# Altium PCB HIVE_BOARD.PcbDoc (part 3 of 9) (continued)
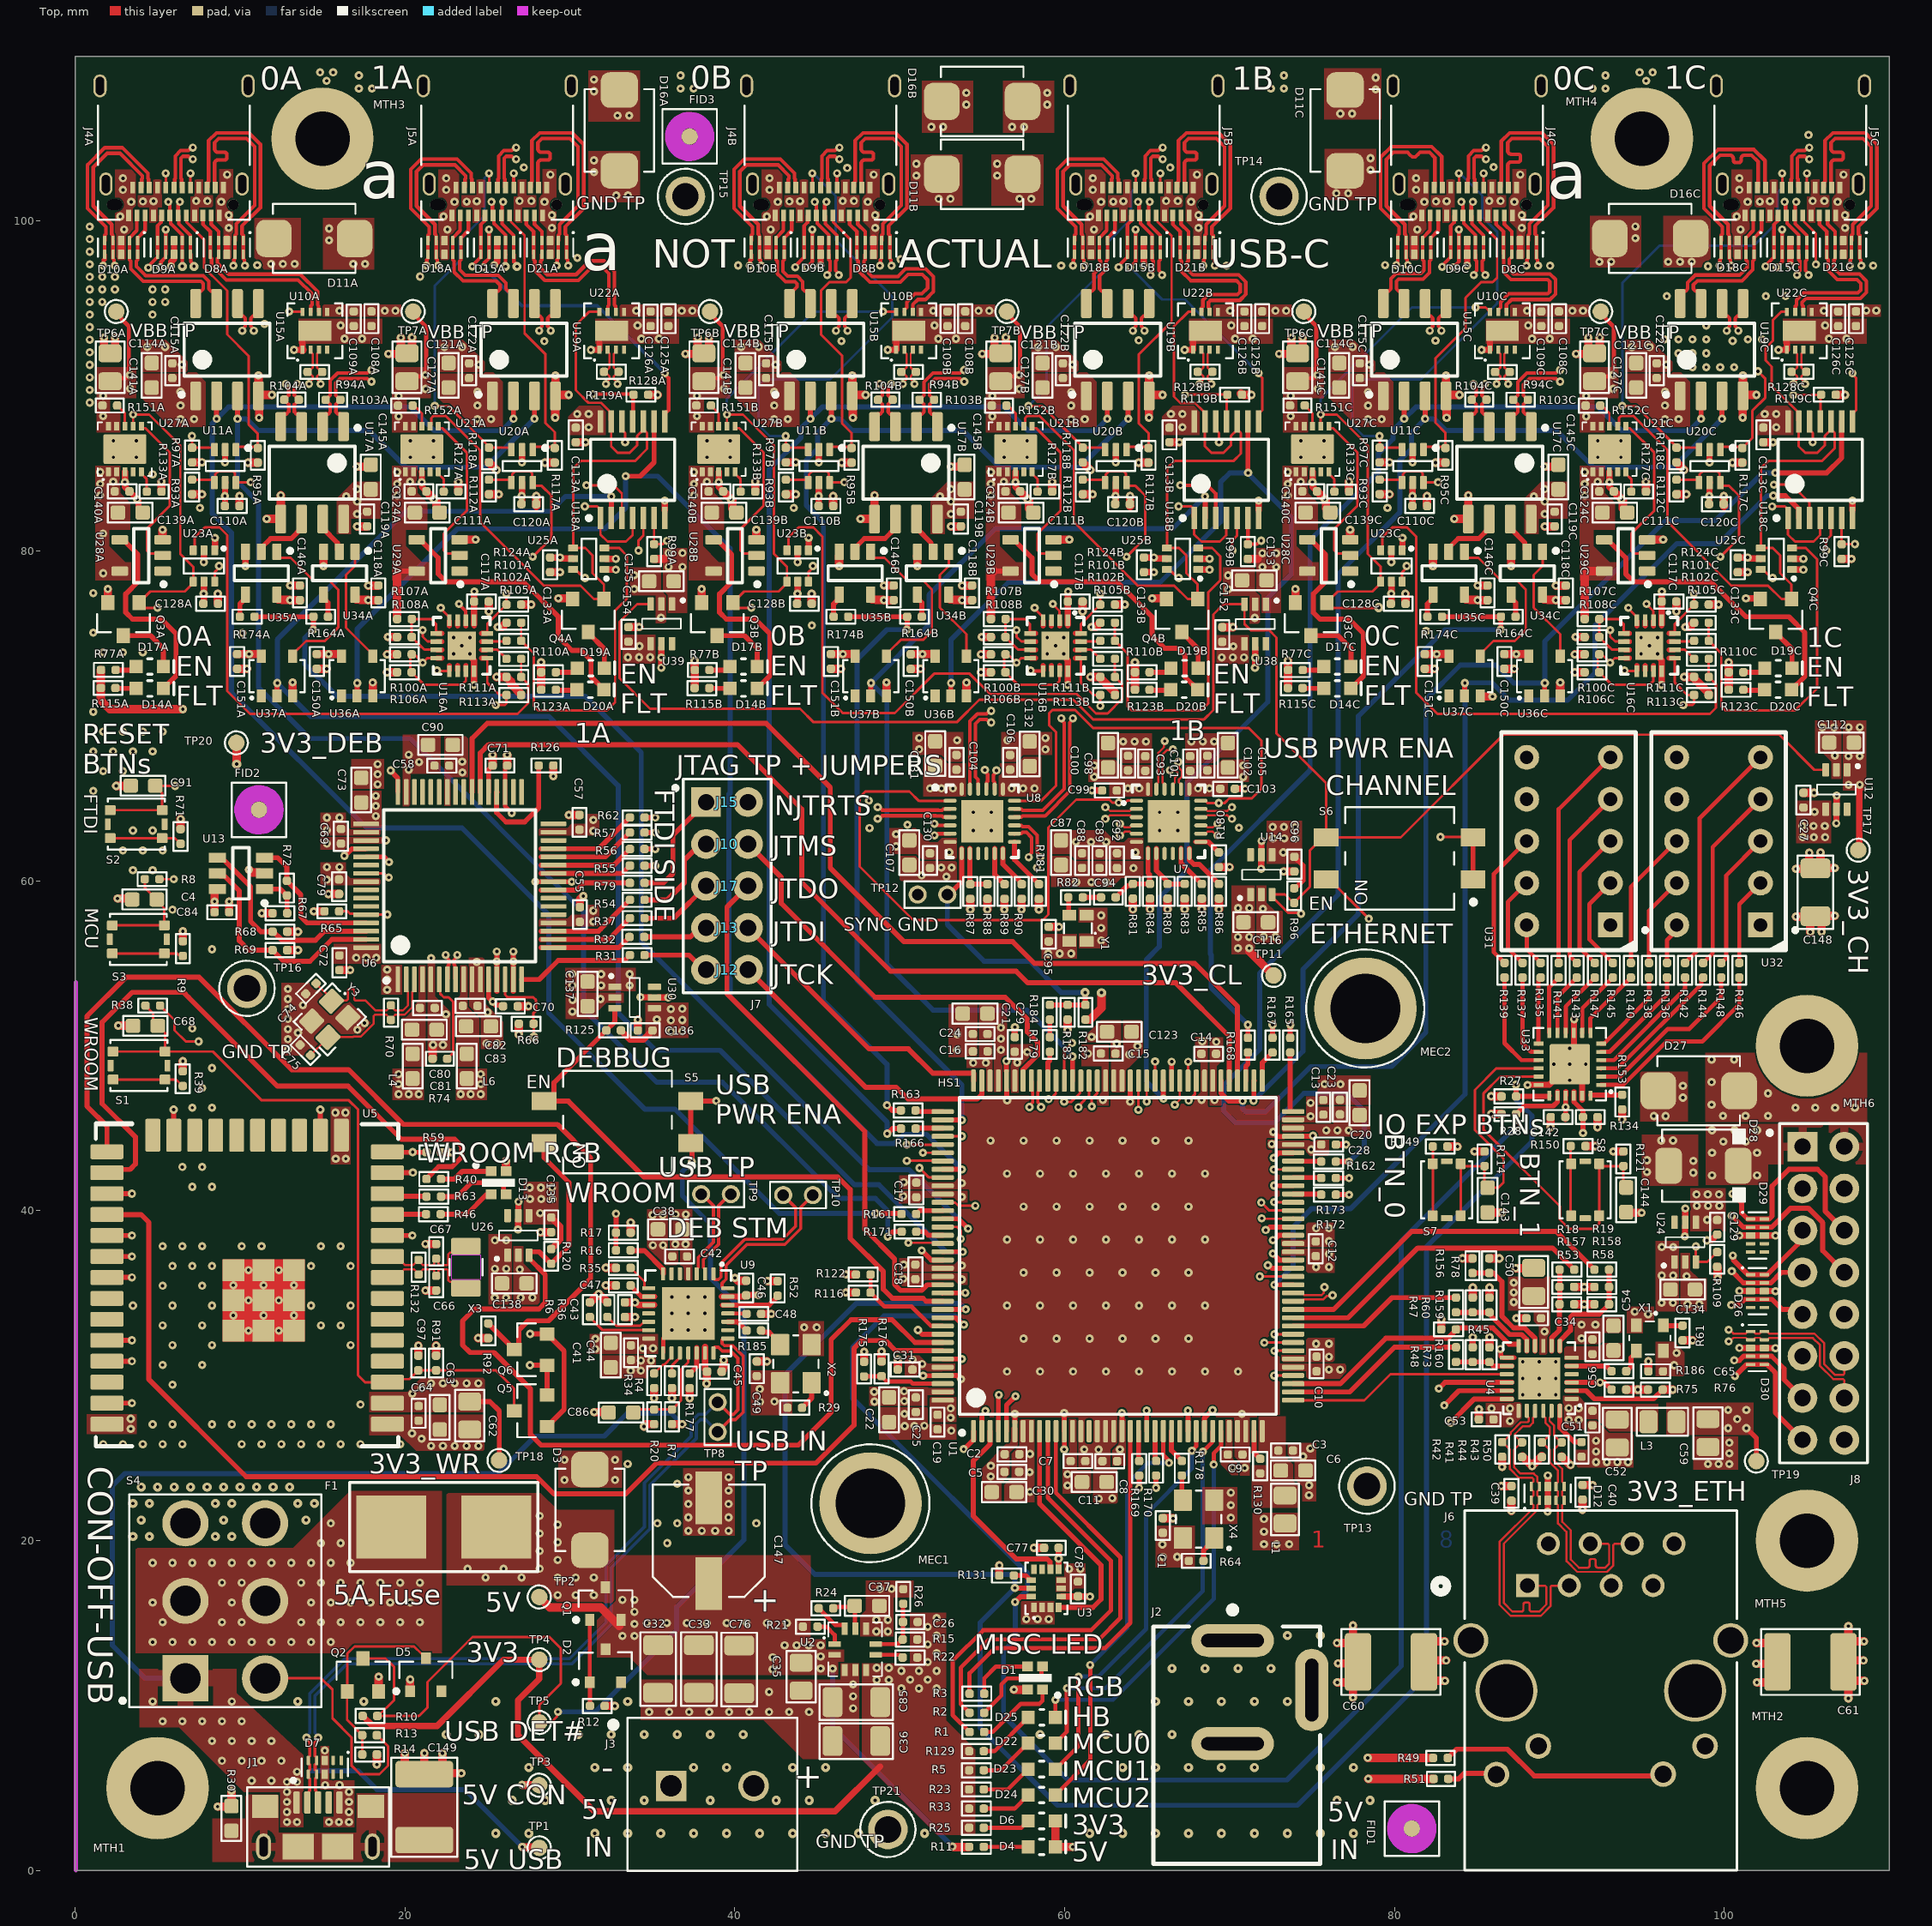
[diagram p0: Top view]
## Part data (continued)
R34 R95A R95B R95C R97A R97B R97C R99A R99B R99C R100A R100B R100C R106A R106B R106C R107A R107B R107C R117A R117B R117C R118A R118B R118C R119A R119B R119C: library part RES_RC0402FR-07100KL, "RES - 100K 1% 1/16W - 0402", Manufacturer #1=Yageo, Package=0402, Power Max=1/16W, Supplier Part Number 1=311-100KLRCT-ND, Temperature="-55°C ~ 155°C", Tolerance=1%, Voltage Rating=50V, Assembly Type=SMD, CreatedBy/Date="Keven Deslandes 2018-10-19", Cryo=UNKNOWN, GRAMS Lib Spec=2.8, HelpURL=http://www.yageo.com/documents/recent/PYu-RC_Group_51_RoHS_L_9.pdf, Magnetic Material=Unknown, Part Number #1=RC0402FR-07100KL, Polarized=No, Supplier 1=Digi-Key, VerifiedBy="Caroline Paulin - 18/12/2018"
R41 R42 R43 R44: library part RES_RC0402FR-0749R9L, "RES - 49.9 R ±1% 1/16W -  0402", Manufacturer #1=Yageo, Package=0402, Power Max=1/16W, Supplier Part Number 1=311-49.9LRCT-ND, Temperature="-55°C ~ 155°C", Tolerance=1%, Voltage Rating=50V, Assembly Type=SMD, CreatedBy/Date="Hubert Dubé - 3/02/2020", GRAMS Lib Spec=2.8c, HelpURL=https://www.yageo.com/upload/media/product/productsearch/datasheet/rchip/PYu-RC_Group_51_RoHS_L_11.pdf, Magnetic Material=Unknown, Part Number #1=RC0402FR-0749R9L, Polarized=No, Supplier 1=Digi-Key, VerifiedBy="Philippe Arsenault/2021-02-08"
R45: library part RES_RC0402FR-071K5L, "RES - 1.5K 1% 1/16W - 0402", Current Rating=-, Manufacturer #1=Yageo, Package=0402, Power Max=1/16W, Supplier Part Number 1=311-1.50KLRCT-ND, Temperature="-55°C ~ 155°C", Tolerance=1%, Voltage Rating=50V, Assembly Type=SMD, CreatedBy/Date="Philippe Arsenault/21 Janvier 2020", Cryo=UNKNOWN, GRAMS Lib Spec=2.8c, HelpURL=https://www.yageo.com/upload/media/product/productsearch/datasheet/rchip/PYu-RC_Group_51_RoHS_L_10.pdf, Magnetic Material=Unknown, Manufacturer #2=-, Note=-, Part Number #1=RC0402FR-071K5L, Part Number #2=-, Polarized=No, Supplier 1=Digi-Key, VerifiedBy="C.Paulin - 28/01/2020"
R49 R51: library part RES_RC0402FR-07270RL, "RES - 270R 1% 1/16W - 0402", Manufacturer #1=Yageo, Package=0402, Power Max=1/16W, Supplier Part Number 1=311-270LRCT-ND, Temperature="-55°C ~ 155°C", Tolerance=1%, Voltage Rating=50V, Assembly Type=SMD, CreatedBy/Date="Philippe Arsenault 2020-07-24", GRAMS Lib Spec=2.8c, HelpURL=https://www.yageo.com/upload/media/product/productsearch/datasheet/rchip/PYu-RC_Group_51_RoHS_L_10.pdf, Magnetic Material=Unknown, Part Number #1=RC0402FR-07270RL, Polarized=No, Supplier 1=Digi-Key, VerifiedBy="Louis-Daniel Gaulin / 03-10-2020"
R50: library part RES_RC0402FR-0712K1L, "RES - 12K1 ±1% 1/16W - 0402", Manufacturer #1=Yageo, Package=0402, Power Max=1/16W, Supplier Part Number 1=311-12.1KLRCT-ND, Temperature="-55°C ~ 155°C", Tolerance=1%, Voltage Rating=50V, Assembly Type=SMD, CreatedBy/Date="Hubert Dubé - 7/02/2020", GRAMS Lib Spec=2.8c, HelpURL=https://www.yageo.com/upload/media/product/productsearch/datasheet/rchip/PYu-RC_Group_51_RoHS_L_11.pdf, Magnetic Material=Unknown, Part Number #1=RC0402FR-0712K1L, Polarized=No, Supplier 1=Digi-Key, VerifiedBy="Philippe Arsenault/2021-02-08"
R52 R74: library part RES_RC0402FR-0712KL, "RES - 12k Ohms ±1% 0.063W, 1/16W Chip Resistor 0402 (1005 Metric) Moisture Resistant Thick Film", Manufacturer #1=Yageo, Package=0402, Power Max=1/16W, Supplier Part Number 1=311-12.0KLRCT-ND, Temperature="-55°C ~ 155°C", Tolerance=1%, Voltage Rating=50V, Assembly Type=SMD, CreatedBy/Date="Philippe Arsenault/2021-03-11", GRAMS Lib Spec=2.8c, HelpURL=https://www.yageo.com/upload/media/product/productsearch/datasheet/rchip/PYu-RC_Group_51_RoHS_L_11.pdf, Magnetic Material=Unknown, Part Number #1=RC0402FR-0712KL, Polarized=No, Supplier 1=Digi-Key, VerifiedBy="Hubert Dube - 19/03/2021"
R70: library part RES_RC0402FR-071ML, "RES - 1 MOhms ±1% 0.063W, 1/16W Chip Resistor 0402 (1005 Metric) Moisture Resistant Thick Film", Manufacturer #1=Yageo, Package=0402, Power Max=1/16W, Supplier Part Number 1=311-1.00MLRCT-ND, Temperature="-55°C ~ 155°C", Tolerance=1%, Voltage Rating=50V, Assembly Type=SMD, CreatedBy/Date="Hubert Dube 16/03/2021", GRAMS Lib Spec=2.8c, HelpURL=https://www.yageo.com/upload/media/product/productsearch/datasheet/rchip/PYu-RC_Group_51_RoHS_L_11.pdf, Magnetic Material=Unknown, Part Number #1=RC0402FR-071ML, Polarized=No, Supplier 1=Digi-Key, VerifiedBy="Philippe Arsenault - 2021/03/16"
R72: library part RES_RC0402FR-072K2L, "RES - 2.2K 1% 1/16W - 0402", Manufacturer #1=Yageo, Package=0402, Power Max=1/16W, Supplier Part Number 1=311-2.20KLRCT-ND, Temperature="-55°C ~ 155°C", Tolerance=1%, Voltage Rating=50V, Assembly Type=SMD, CreatedBy/Date="Keven Deslandes 2018-11-14", Cryo=UNKNOWN, GRAMS Lib Spec=2.8, HelpURL=http://www.yageo.com/documents/recent/PYu-RC_Group_51_RoHS_L_10.pdf, Magnetic Material=Unknown, Part Number #1=RC0402FR-072K2L, Polarized=No, Supplier 1=Digi-Key, VerifiedBy="Caroline Paulin - 8 janv 2019"
R82 R161 R162 R163 R164A R164B R164C R165 R166 R167 R168 R169 R170 R171 R172 R173 R174A R174B R174C R179: library part RES_RC0402FR-0733RL, "RES - 33 OHM 1% 1/16W - 0402", Manufacturer #1=Yageo, Package=0402, Power Max=1/16W, Supplier Part Number 1=311-33.0LRCT-ND, Temperature="-55°C ~ 155°C", Tolerance=1%, Voltage Rating=50V, Assembly Type=SMD, CreatedBy/Date="Louis-Daniel Gaulin/ 14/01/2020", Cryo=UNKNOWN, GRAMS Lib Spec=2.8c, HelpURL=https://www.yageo.com/upload/media/product/productsearch/datasheet/rchip/PYu-RC_Group_51_RoHS_L_10.pdf, Magnetic Material=Unknown, Part Number #1=RC0402FR-0733RL, Polarized=NO, Supplier 1=Digi-Key, VerifiedBy="C.Paulin - 21/01/2020"
R102A R102B R102C R105A R105B R105C R178 R184 R185 R186: library part RES_RC0402FR-070RL, "RES - 0R 1/16W 1A  - 0402", Current Rating=1A, Manufacturer #1=Yageo, Package=0402, Power Max=1/16W, Supplier Part Number 1=311-0.0LRCT-ND, Temperature="-55°C ~ 155°C", Voltage Rating=50V, Assembly Type=SMD, CreatedBy/Date="Keven Deslandes 2018-09-12", Cryo=UNKNOWN, GRAMS Lib Spec=2.8, HelpURL=http://www.yageo.com/documents/recent/PYu-RC_Group_51_RoHS_L_10.pdf, Magnetic Material=Unknown, Part Number #1=RC0402FR-070RL, Polarized=No, Supplier 1=Digi-Key, VerifiedBy="Caroline Paulin - 27 fév 2019"
R103A R103B R103C R104A R104B R104C: library part RES_RC0402FR-0784R5L, "RES - 84R5 1% 1/16W - 0402", Manufacturer #1=Yageo, Package=0402, Power Max=1/16W, Supplier Part Number 1=YAG3246CT-ND, Temperature="-55°C ~ 155°C", Tolerance=1%, Voltage Rating=50V, Assembly Type=SMD, CreatedBy/Date="Philippe Arsenault/ 2021-03-31", GRAMS Lib Spec=2.8c, HelpURL=https://www.yageo.com/upload/media/product/productsearch/datasheet/rchip/PYu-RC_Group_51_RoHS_L_11.pdf, Magnetic Material=Unknown, Part Number #1=RC0402FR-0784R5L, Polarized=No, Supplier 1=Digi-Key
R108A R108B R108C: library part RES_RC0402FR-0740K2L, "RES - 40.2K 1% 1/16W - 0402", Current Rating=-, Manufacturer #1=Yageo, Package=0402, Power Max=1/16W, Supplier Part Number 1=311-40.2KLRCT-ND, Temperature="-55°C ~ 155°C", Tolerance=1%, Voltage Rating=50V, Assembly Type=SMD, CreatedBy/Date="Raphael Bouchard - 2019-08-09", Cryo=UNKNOWN, GRAMS Lib Spec=2.8, HelpURL=http://www.yageo.com/documents/recent/PYu-RC_Group_51_RoHS_L_10.pdf, Magnetic Material=Unknown, Manufacturer #2=-, Note=-, Part Number #1=RC0402FR-0740K2L, Part Number #2=-, Polarized=No, Supplier 1=Digi-Key, VerifiedBy="C.Paulin - 15/08/2019"
R130: library part RES_RC0402FR-0747RL, "RES -  47ohm ±1% 0.063W, 1/16W Chip Resistor 0402", Manufacturer #1=Yageo, Package=0402, Power Max=1/16W, Supplier Part Number 1=311-47.0LRCT-ND, Temperature="-55°C ~ 155°C", Tolerance=1%, Voltage Rating=50V, Assembly Type=SMD, CreatedBy/Date="Philippe Arsenault/2021-04-10", GRAMS Lib Spec=2.8, HelpURL=https://www.yageo.com/upload/media/product/productsearch/datasheet/rchip/PYu-RC_Group_51_RoHS_L_11.pdf, Magnetic Material=Unknown, Part Number #1=RC0402FR-0747RL, Polarized=No, Supplier 1=Digi-Key, VerifiedBy="Louis-Daniel Gaulin / 14-04-2021"
R132: library part RES_RC0402FR-071ML, "RES - 1M 1% 1/16W - 0402", Manufacturer #1=Yageo, Package=0402, Power Max=1/16W, Supplier Part Number 1=311-1.00MLRCT-ND, Temperature="-55°C ~ 155°C", Tolerance=1%, Voltage Rating=50V, Assembly Type=SMD, CreatedBy/Date="Keven Deslandes 2018-11-09", Cryo=UNKNOWN, GRAMS Lib Spec=2.8, HelpURL=http://www.yageo.com/documents/recent/PYu-RC_Group_51_RoHS_L_10.pdf, Magnetic Material=Unknown, Part Number #1=RC0402FR-071ML, Polarized=No, Supplier 1=Digi-Key, VerifiedBy="Caroline Paulin - 7 janv 2019"
R151A R151B R151C R152A R152B R152C: library part RES_CRCW04023R48FKED, "RES - 3.48 R ±1% 1/16W -  0402", Manufacturer #1="Vishay Dale", Package=0402, Power Max=1/16W, Supplier Part Number 1=541-3.48LLCT-ND, Temperature="-55°C ~ 155°C", Tolerance=1%, Voltage Rating=50V, Assembly Type=SMD, CreatedBy/Date="Louis-Daniel Gaulin / 2021-05-01", GRAMS Lib Spec=2.8c, HelpURL=https://www.vishay.com/docs/20035/dcrcwe3.pdf, Magnetic Material=Unknown, Part Number #1=CRCW04023R48FKED, Polarized=No, Supplier 1=Digi-Key, VerifiedBy="Philippe Arsenault/2021-05-10"
S1 S2 S3 S7 S8: library part SWI_TACT_435171014816, "SWI - SWITCH TACTILE SPST-NO 0.05A 12V -SMD", Current Rating=50mA, Manufacturer #1="Würth Elektronik", Package=SMD, Supplier Part Number 1=732-435171014816CT-ND, Temperature="-40°C ~ 85°C", Voltage Rating=12VDC, Assembly Type=SMD, CreatedBy/Date="Hubert Dube - 22/07/20", Cryo=UNKNOWN, GRAMS Lib Spec=2.8, HelpURL=https://www.we-online.com/catalog/datasheet/435171014816.pdf, Magnetic Material=UNKNOWN, Part Number #1=435171014816, Polarized=No, Supplier 1=Digi-Key, VerifiedBy="Louis-Daniel Gaulin / 12-11-2020"
S4: library part SWI_500SDP1S1M2QEA, "SWI - SLIDE DPDT 5A 120V - TH", Current Rating=5A, Manufacturer #1=E-Switch, Manufacturer #2=-, Package="12.7x11.43mm plastic", Supplier Part Number 1=EG2475-ND, Temperature="-30°C ~ 85°C", Voltage Rating=120VAC/28VDC, Assembly Type=TH, CreatedBy/Date="Louis-Daniel Gaulin / 29-04-2021", Cryo=UNKNOWN, GRAMS Lib Spec=2.8c, HelpURL=https://sten-eswitch-13110800-production.s3.amazonaws.com/system/asset/product_line/data_sheet/115/500.pdf, Magnetic Material=Unknown, Part Number #1=500SDP1S1M2QEA, Part Number #2=-, Polarized=Yes, Power Max=-, Supplier 1=Digi-Key, Tolerance=-, VerifiedBy="Philippe Arsenault/ 2021-04-30"
S5 S6: library part SWI_A6S-2104-H, "SWI - Dip Switch SPST 2 Pos 25mA 24V - SMD", Current Rating=25mA, Manufacturer #1="Omron Electronics Inc-EMC Div", Package=DIP_SMD, Supplier Part Number 1=SW1009-ND, Temperature="-20°C ~ 70°C", Voltage Rating=24VDC, Assembly Type=SMD, CreatedBy/Date="Joel Lemay 2018-06-15", Cryo=UNKNOWN, GRAMS Lib Spec=2.8, HelpURL=http://omronfs.omron.com/en_US/ecb/products/pdf/en-a6s.pdf, Magnetic Material=Unknown, Part Number #1=A6S-2104-H, Polarized=Yes, Supplier 1=Digi-Key, VerifiedBy="Caroline Paulin - 6 sept 2018"
TP1 TP2 TP3 TP4 TP5 TP6A TP6B TP6C TP7A TP7B TP7C TP11 TP17 TP18 TP19 TP20: library part TPO_SMD_ROUND_1MM, "TPO - TEST POINT ROUND SMD PAD ONLY  - 1 MM", Package="1 MM ROUND", Assembly Type=NONE, CreatedBy/Date="Jonathan Bouchard 2018-07-17", Cryo=UNKNOWN, GRAMS Lib Spec=2.8, Magnetic Material=NO, VerifiedBy="Arnaud Samson 23-07-18"
TP8 TP9 TP10 TP12: library part TPO_TH_ROUND_0.7mm_DOUBLE, "TPO - TH round 0.7mm double - 2-SMD", Current Rating=-, Package=2-SMD, Assembly Type=TH, CreatedBy/Date="Philippe Arsenault / 20-04-2021", GRAMS Lib Spec=2.8, HelpURL=-, Magnetic Material=-, Manufacturer #1=-, Manufacturer #2=-, Note=-, Part Number #1=-, Part Number #2=-, Polarized=-, Power Max=-, Supplier 1=-, Supplier Part Number 1=-, Temperature=-, Tolerance=-, VerifiedBy="Louis-Daniel Gaulin / 29-04-2021", Voltage Rating=-
TP13 TP14 TP15 TP16 TP21: library part TPO_5011, "TPO - TEST POINT - TH", Manufacturer #1="Keystone Electronics", Assembly Type=TH, CreatedBy/Date="Louis-Daniel Gauli / 02-11-2020", Cryo=UNKNOWN, GRAMS Lib Spec=2.8, HelpURL=https://www.keyelco.com/userAssets/file/M65p56.pdf, Magnetic Material=UNKNOWN, Part Number #1=5011, Polarized=No, Supplier 1=Digi-Key, VerifiedBy="Philippe Arsenault/2020-11-06"
U1: library part MCU_STM32H735ZGT6, "ARM® Cortex®-M7 series Microcontroller IC 32-Bit 550MHz 1MB (1M x 8) FLASH 564K RAM - 144-LQFP (20x20)", Current Rating=620mA, Manufacturer #1=STMicroelectronics, Package="144-LQFP (20x20)", Power Max=2.2W, Supplier Part Number 1=497-STM32H735ZGT6-ND, Temperature="-40°C ~ 85°C (TA)", Voltage Rating="1.62V ~ 3.6V", Assembly Type=SMD, CreatedBy/Date="Philippe Arsenault/2021-04-08", GRAMS Lib Spec=2.8, HelpURL=https://www.st.com/resource/en/datasheet/stm32h735ag.pdf, Magnetic Material=Unknown, Part Number #1=STM32H735ZGT6, Polarized=Yes, Supplier 1=Digi-Key, VerifiedBy="Louis-Daniel Gaulin / 08-04-2021"
U2: library part REG_SWR_RPL-3.0-CT, "REG_DC DC CONVERTER 3~18V input 0.8~5.2V output 3A - 10-SMD", Current Rating=3A, Manufacturer #1="Recom Power", Package=10-SMD, Supplier Part Number 1=945-RPL-3.0-CT-ND, Temperature=-40°C~125°C, Voltage Rating="3~18V (IN), 0.8~5.2V (OUT)", Assembly Type=SMD, CreatedBy/Date="Louis-Daniel Gaulin / 11-04-2021", Cryo=UNKNOWN, GRAMS Lib Spec=2.8c, HelpURL=https://recom-power.com/pdf/Innoline/RPL-3.0.pdf, Magnetic Material=Unknown, Part Number #1="Recom Power", Polarized=Yes, Supplier 1=Digi-Key, VerifiedBy="Philippe Arsenault/2021-04-14"
U3: library part SEN_IMU_LSM6DSMTR, "SEN_IMU -  ACCEL/GYRO 6 Axis I2C/SPI - 14-VFLGA", Current Rating=0.65mA, Manufacturer #1=STMicroelectronics, Manufacturer #2=-, Package=14-VFLGA, Power Max=3mW, Supplier Part Number 1=497-16696-1-ND, Temperature="-40°C ~ 85°C (TA)", Voltage Rating="1.71V ~ 3.6V", Assembly Type=SMD, CreatedBy/Date="Louis-Daniel Gaulin / 06-10-2020", GRAMS Lib Spec=2.7c, HelpURL=https://www.st.com/content/ccc/resource/technical/document/datasheet/76/27/cf/88/c5/03/42/6b/DM00218116.pdf/files/DM00218116.pdf/jcr:content/translations/en.DM00218116.pdf, Magnetic Material=Unknown, Note=-, Part Number #1=LSM6DSMTR, Part Number #2=-, Polarized=YES, Supplier 1=Digi-Key, Tolerance=-, VerifiedBy="Philippe Arsenault/2020-11-06"
U4: library part COM_ETH_LAN8742A-CZ, "COM_ETH_ Ethernet PHY 1/1 Transceiver  Ethernet 24-SQFN (4x4) 10/100 BASE-T", Manufacturer #1="Microchip Technology", Package="24-SQFN (4x4)", Supplier Part Number 1=LAN8742A-CZ-ND, Temperature="0°C ~ 70°C", Voltage Rating="1.6 ~ 3.6V", Assembly Type=SMD, CreatedBy/Date="Hubert Dube -  28/01/2021", GRAMS Lib Spec=2.7, HelpURL=https://ww1.microchip.com/downloads/en/DeviceDoc/DS_LAN8742_00001989A.pdf, Magnetic Material=Unknown, Part Number #1=LAN8742A-CZ, Polarized=Yes, Supplier 1=Digi-Key, VerifiedBy="Philippe Arsenault 2021-03-10"
U5: library part COM_ESP32-WROOM-32UE(4MB), "Bluetooth, WiFi 802.11b/g/n, Bluetooth v4.2 +EDR, Class 1, 2 and 3 Transceiver Module 2.4GHz ~ 2.5GHz Antenna Not Included, U.FL Surface Mount", Current Rating=1100mA, Manufacturer #1="Espressif Systems", Package="38-SMD MODULE", Power Max=3.96W, Supplier Part Number 1=1965-ESP32-WROOM-32UE(4MB)TR-ND, Temperature=-40~85C, Voltage Rating="-0.3 to 3.6V", Assembly Type=SMD, CreatedBy/Date="Hubert Dube -  25/02/2021", GRAMS Lib Spec=2.7, HelpURL=https://www.espressif.com/sites/default/files/documentation/esp32-wroom-32e_esp32-wroom-32ue_datasheet_en.pdf, Magnetic Material=Unknown, Note="Antenna not included", Part Number #1="ESP32-WROOM-32UE (4MB)", Polarized=Yes, Supplier 1=Digi-Key, VerifiedBy="Philippe Arsenault/ 2021-03-11"
U6: library part COM_USB_FT4232HL-REEL, "COM_USB - Bridge, USB to UART,FIFO USB 2.0 FIFO, JTAG Quad channel Interface -  64-LQFP (10x10)", Current Rating=220mA, Manufacturer #1="FTDI, Future Technology Devices International Ltd", Package=64-LQFP, Power Max=800mW, Supplier Part Number 1=768-1026-1-ND, Temperature="-40°C ~ 85°C", Voltage Rating="3V ~ 3.6V (VCCIO), 1.62V ~ 1.98V (core)", Assembly Type=SMD, CreatedBy/Date="Philippe Arsenault/2021-04-07", GRAMS Lib Spec=2.8, HelpURL=https://www.ftdichip.com/Support/Documents/DataSheets/ICs/DS_FT4232H.pdf, Magnetic Material=Unknown, Part Number #1=FT4232HL-REEL, Polarized=Yes, Supplier 1=Digi-Key, VerifiedBy="Louis-Daniel Gaulin / 08-04-2021"
U7 U8: library part TIM_FAN_SI53342-B-GM, "TIM_FAN -  Clock Fanout Buffer 1.25GHz , Multiplexer IC 2:6 - 24-VFQFN EP", Current Rating=121mA, Manufacturer #1="Silicon Labs", Package=24-QFN, Supplier Part Number 1=336-3840-ND, Temperature="-40°C ~ 85°C", Voltage Rating="1.71V ~ 3.63V", Assembly Type=SMD, CreatedBy/Date="Philippe Arsenault/ 2021-04-01", GRAMS Lib Spec=2.8, HelpURL=https://www.silabs.com/documents/public/data-sheets/si5334x-datasheet.pdf, Magnetic Material=Unknown, Part Number #1=SI53342-B-GM, Polarized=YES, Supplier 1=Digi-Key
U9: library part USB_USB2412-DZK, "USB Hub Controller USB 2.0 USB Interface 28-QFN", Manufacturer #1="Microchip Technology", Part Number #1=638-1114-ND, Supplier Part Number 1=USB2412-DZK-CT-ND, Temperature="0°C ~ 70°C", Voltage Rating="3V ~ 3.6V", Assembly Type=SMD, CreatedBy/Date="Hubert Dube -  12/02/2021", GRAMS Lib Spec=2.7, HelpURL=https://ww1.microchip.com/downloads/en/DeviceDoc/2412.pdf, Magnetic Material=Unknown, Polarized=Yes, Supplier 1=Digi-Key, VerifiedBy="Philippe Arsenault/2021-03-14"
U10A U10B U10C U22A U22B U22C: library part COM_BUF_DS90LV001TLD/NOPB, "COM_BUF - ReDriver 1 Channel 800Mbps CML,LVDS,LVPECL to LVDS -   / 8-WFDFN EP", Current Rating=70mA, Manufacturer #1="Texas Instruments", Package="8-WFDFN EP", Power Max=-, Supplier Part Number 1=DS90LV001TLD/NOPBCT-ND, Temperature="-40°C ~ 85°C", Voltage Rating="3V ~ 3.6V", Assembly Type=SMD, CreatedBy/Date="Louis-Daniel Gaulin / 07-04-2021", GRAMS Lib Spec=2.8, HelpURL=https://www.ti.com/lit/ds/symlink/ds90lv001.pdf?HQS=dis-dk-null-digikeymode-dsf-pf-null-wwe&ts=1617891563599, Magnetic Material=Unknown, Part Number #1=DS90LV001TLD/NOPB, Polarized=Yes, Supplier 1=Digi-Key, VerifiedBy="Philippe Arsenault/2021-04-08"
U11A U11B U11C U20A U20B U20C: library part LOG_BUF_TC7PZ05FU,LJ(CT, "LOG_BUF - DUAL Buffer inverting Open Drain - SOT-363", Current Rating="100mA VCC - 50mA output", Manufacturer #1="Toshiba Semiconductor and Storage", Package=SOT-363, Power Max=200mW, Supplier Part Number 1=TC7PZ05FULJ(CTCT-ND, Temperature="-40°C ~ 125°C (TA)", Voltage Rating="2V ~ 5.5V", Assembly Type=SMD, CreatedBy/Date="Louis-Daniel Gaulin / 14-04-2021", GRAMS Lib Spec=2.8, HelpURL=https://toshiba.semicon-storage.com/info/docget.jsp?did=30530&prodName=TC7PZ05FU, Magnetic Material=Unknown, Part Number #1=TC7PZ05FU,LJ(CT, Polarized=Yes, Supplier 1=Digi-Key, VerifiedBy="Philippe Arsenault/2021-04-14"
U12 U14 U24 U26 U30 U38 U39: library part POW_MIC94072YC6-TR, "POW - Load switch 1.2A 120mOhm 1:1 P-Channel -  SC-70-6", Current Rating=1.2A, Manufacturer #1="Microship Technology", Package=SC-70-6, Supplier Part Number 1=576-3580-1-ND, Temperature="-40°C ~ 125°C (TA)", Voltage Rating="1.7V ~ 5.5V", Assembly Type=SMD, CreatedBy/Date="Louis-Daniel Gaulin / 29-04-2021", Cryo=UNKNOWN, GRAMS Lib Spec=2.8c, HelpURL=https://ww1.microchip.com/downloads/en/DeviceDoc/mic94070-3.pdf, Magnetic Material=Unknown, Part Number #1=MIC94072YC6-TR, Polarized=Yes, Supplier 1=Digi-Key, VerifiedBy="Philippe Arsenault/2021-04-30"
U13: library part MEM_EEPROM_93LC46BT-E/OT, "EEPROM Memory IC 1Kb (128 x 8) SPI 2MHz  SOT-23-6", Manufacturer #1="Microchip Technology", Package=SOT-23-6, Supplier Part Number 1=93LC46BT-E/OTCT-ND, Temperature="-40°C ~ 125°C", Voltage Rating="2.5V ~ 5.5V", Assembly Type=SMD, CreatedBy/Date="Hubert Dube -  13/03/2021", GRAMS Lib Spec=2.7, HelpURL=https://ww1.microchip.com/downloads/en/DeviceDoc/20001749K.pdf, Magnetic Material=Unknown, Part Number #1=93LC46BT-E/OT, Polarized=Yes, Supplier 1=Digi-Key, VerifiedBy="Philippe Arsenault - 17/03/2021 + HD 19/03/2021"
U15A U15B U15C U19A U19B U19C: library part COM_XCV_FIN1027AMX, "COM_XCV - 3V3 LVCMOS to LVDS, 2 bits, High-SPEED, DIFF driver - SOIC-8", Current Rating=17mA, Manufacturer #1="ON Semiconductor", Package=SOIC-8, Power Max=56mW, Supplier Part Number 1=FIN1027AMXCT-ND, Temperature="-40°C ~ 85°C", Voltage Rating="3V ~ 3.6V", Assembly Type=SMD, CreatedBy/Date="Philippe Arsenault/2021-04-01", GRAMS Lib Spec=2.8, HelpURL=https://www.onsemi.com/pdf/datasheet/fin1027a-d.pdf, Magnetic Material=Unknown, Part Number #1=FIN1027AMX, Polarized=YES, Supplier 1=Digi-Key, VerifiedBy="Louis-Daniel Gaulin - 05/04/2021"
U16A U16B U16C: library part CMP_LM339LVRTER, "COMP - Quad Comparator General Purpose Open-Drain, Rail-to-Rail - 16-WQFN (3x3)", Current Rating="100mA@5V (SC)", Manufacturer #1="Texas instrument", Package="16-WFQFN Exposed Pad", Power Max=-, Supplier Part Number 1=296-LM339LVRTERCT-ND, Temperature="-40°C ~ 125°C (TA)", Voltage Rating="1.65V ~ 5.5V", Assembly Type=SMD, CreatedBy/Date="Philippe Arsenault/2021-04-10", GRAMS Lib Spec=2.8, HelpURL=https://www.ti.com/lit/ds/symlink/lm339lv.pdf?ts=1618013735062, Magnetic Material=Unknown, Part Number #1=LM339LVRTER, Polarized=Yes, Supplier 1=Digi-Key, VerifiedBy="Louis-Daniel Gaulin / 14-04-2021"
U17A U17B U17C: library part COM_XCV_FIN1028MX, "COM_XCV - 3V3 LVDS to LVCMOS, 2 bits, High-SPEED, DIFF receiver - SOIC-8", Current Rating=9mA, Manufacturer #1="ON Semiconductor", Package=SOIC-8, Power Max=30mW, Supplier Part Number 1=FIN1028MXCT-ND, Temperature="-40°C ~ 85°C", Voltage Rating="3V ~ 3.6V", Assembly Type=SMD, CreatedBy/Date="Philippe Arsenault/2021-04-01", GRAMS Lib Spec=2.8, HelpURL=https://www.onsemi.com/pdf/datasheet/fin1028-d.pdf, Magnetic Material=Unknown, Part Number #1=FIN1028MX, Polarized=YES, Supplier 1=Digi-Key, VerifiedBy="Louis-Daniel Gaulin - 05/04/2021"
U18A U18B U18C: library part LOG_BUF_74LVC126APW,118, "LOG_BUF - Quad Buffer non-inverting 3-States - 14-TSSOP", Current Rating="100mA (supply) - 24mA (output)", Manufacturer #1="Nexperia USA Inc.", Package=14-TSSOP, Power Max=500mW, Supplier Part Number 1=1727-5979-1-ND, Temperature="-40°C ~ 125°C (TA)", Voltage Rating="1.65V ~ 3.6V", Assembly Type=SMD, CreatedBy/Date="Louis-Daniel Gaulin / 11-04-2021", GRAMS Lib Spec=2.8, HelpURL=https://assets.nexperia.com/documents/data-sheet/74LVC126A.pdf, Magnetic Material=Unknown, Part Number #1=74LVC126APW,118, Polarized=Yes, Supplier 1=Digi-Key, VerifiedBy="Philippe Arsenault/2021-04-14"
U21A U21B U21C U27A U27B U27C: library part POW_NIS6150MT1TXG, "POW -  Electronic Fuse Regulator 1A -  10-WDFNW", Current Rating=1A, Manufacturer #1="On Semiconductor", Package=10-WDFNW, Supplier Part Number 1=488-NIS6150MT1TXGCT-ND, Temperature="-40°C ~ 125°C (TA)", Tolerance="See datasheet", Voltage Rating="-0.3V ~ 10V", Assembly Type=SMD, CreatedBy/Date="Louis-Daniel Gaulin / 29-04-2021", Cryo=UNKNOWN, GRAMS Lib Spec=2.8c, HelpURL=https://www.onsemi.com/pdf/datasheet/nis6150-d.pdf, Magnetic Material=Uknown, Part Number #1=NIS6150MT1TXG, Polarized=Yes, Supplier 1=DigiKey, VerifiedBy="Philippe Arsenault/2021-04-30"
U23A U23B U23C U25A U25B U25C: library part LOG_AND_74LVC1G11DW-7, "LOG - AND Gate, 1CH 3-INP - 6-TSSOP", Current Rating=32mA, Manufacturer #1="Diodes Incorporated", Package=6-TSSOP, Supplier Part Number 1=74LVC1G11DW-7CT-ND, Temperature="-40°C ~ 125°C", Voltage Rating="1.65V ~ 5.5V", Assembly Type=SMD, CreatedBy/Date="Louis-Daniel Gaulin / 26-02-2020", Cryo=UNKNOWN, GRAMS Lib Spec=2.8c, HelpURL=https://www.diodes.com/assets/Datasheets/74LVC1G11.pdf, Magnetic Material=Unknown, Part Number #1=74LVC1G11DW-7, Polarized=Yes, Supplier 1=Digi-Key, VerifiedBy="C.Paulin - 9/03/2020"
U28A U28B U28C U29A U29B U29C: library part LOG_BUF_74AHC1G07GV,125, "LOG_BUF - Buffer non-inverting Open Drain - SC-74A", Current Rating=8mA, Manufacturer #1="Nexperia USA Inc.", Package=SC-74A, Power Max=-, Supplier Part Number 1=1727-6761-1-ND, Temperature="-40°C ~ 125°C (TA)", Voltage Rating="2V ~ 5.5V", Assembly Type=SMD, CreatedBy/Date="Louis-Daniel Gaulin / 07-04-2021", GRAMS Lib Spec=2.8, HelpURL=https://assets.nexperia.com/documents/data-sheet/74AHC1G07.pdf, Magnetic Material=Unknown, Part Number #1=74AHC1G07GV,125, Polarized=Yes, Supplier 1=Digi-Key, VerifiedBy="Philippe Arsenault/2021-04-08"
U31 U32: library part LED_7SEG_INND-TS30RAB, "LED_7SEG  - LED Character and Numeric Red 7-Segment 1 Character Common Anode 2V - 10-TH", Current Rating=20mA, Package=10-TH, Supplier Part Number 1=1830-1146-ND, Temperature="-35°C ~ 85°C", Voltage Rating="2V (Vf)", Assembly Type=TH, CreatedBy/Date="Louis-Daniel Gaulin / 10-05-2021", Cryo=UNKNOWN, GRAMS Lib Spec=2.8, HelpURL=http://www.inolux-corp.com/datasheet/Display/Through-Hole-Display/SingleDigit/INND-TS30%20Series_V1.0.pdf, Magnetic Material=Unknown, Manufacturer #1=INND-TS30RAB, Note="Operate at 10mA", Part Number #1=INND-TS30RAB, Polarized=Yes, Supplier 1=Digi-Key, VerifiedBy="Philippe Arsenault/10-05-2021"
U33: library part LOG_IOEXP_TCA9539RGER, "LOG - 16-Bit I2C/SMBus, I/O Expander - 24-VQFN-EP", Manufacturer #1="Texas Instruments", Package=24-VQFN-EP, Supplier Part Number 1=296-44209-1-ND, Temperature="-40°C ~ 85°C", Voltage Rating="1.65V ~ 5.5V", Assembly Type=SMD, CreatedBy/Date="Louis-Daniel Gaulin / 10-05-2021", Cryo=UNKNOWN, GRAMS Lib Spec=2.8, HelpURL=https://www.ti.com/lit/ds/symlink/tca9539.pdf?HQS=dis-dk-null-digikeymode-dsf-pf-null-wwe&ts=1620652560420, Magnetic Material=Unknown, Part Number #1=TCA9539RGER, Polarized=Yes, Supplier 1=Digi-Key, VerifiedBy="Philippe Arsenault/2021-05-10"
U34A U34B U34C U35A U35B U35C: library part LOG_BUF_74LVC1G126GV,125, "LOG_BUF - Buffer non-inverting 3-States - SC-74A", Current Rating=50mA, Manufacturer #1="Nexperia USA Inc.", Package=SC-74A, Power Max=-, Supplier Part Number 1=1727-6066-1-ND, Temperature="-40°C ~ 125°C (TA)", Voltage Rating="1.65V ~ 5.5V", Assembly Type=SMD, CreatedBy/Date="Philippe Arsenault/2021-04-08", GRAMS Lib Spec=2.8, HelpURL=https://assets.nexperia.com/documents/data-sheet/74LVC1G126.pdf, Magnetic Material=Unknown, Part Number #1=74LVC1G126GV,125, Polarized=Yes, Supplier 1=Digi-Key, VerifiedBy="Louis-Daniel Gaulin / 11-04-2021"
U36A U36B U36C U37A U37B U37C: library part LOG_INV_74LVC1G04GV, "LOG - INVERTER 1CH 1-INP - SOT-753", Current Rating=-, Manufacturer #1="Nexperia USA Inc.", Package=SOT-753, Part Number #1=74LVC1G04GV,125, Supplier Part Number 1=1727-3098-1-ND, Temperature="-40°C ~ 125°C", Voltage Rating="1.65V ~5.5V", Assembly Type=SMD, CreatedBy/Date="Keven Deslandes - 2018-09-12", Cryo=UNKNOWN, GRAMS Lib Spec=2.8, HelpURL=https://assets.nexperia.com/documents/data-sheet/74LVC1G04.pdf, Magnetic Material=Unknown, Polarized=Yes, Supplier 1=Digi-Key, VerifiedBy="Caroline Paulin - 17/12/2018"
X1: library part OSC_CRY_ASDM1-25.000MHZ-LC-T, "OSC_CRY - 25MHz +-50ppm LVCMOS Crystal", Current Rating=15mA, Manufacturer #1="Abracon LLC", Package=4-SMD, Power Max=50mW, Supplier Part Number 1=535-9792-1-ND, Temperature="-40°C ~ 85°C", Voltage Rating="3.0 ~ 3.6V", Assembly Type=SMD, CreatedBy/Date="Philippe Arsenault/2021-04-07", GRAMS Lib Spec=2.8, HelpURL=https://abracon.com/Oscillators/ASDM.pdf, Magnetic Material=Unknown, Part Number #1=ASDM1-25.000MHZ-LC-T, Polarized=YES, Supplier 1=Digi-Key, VerifiedBy="Louis-Daniel Gaulin / 08-04-2021"
X2 X4: library part "OSC_O 24,0-JO32-B-1V3-1-T1-LF", "OSC - 24MHz XO (Standard) LVCMOS Oscillator 1.8V ~ 3.3V Enable/Disable 4-SMD, No Lead", Current Rating=4mA, Manufacturer #1="Jauch Quartz", Package="4-SMD, No Lead", Power Max=13mW, Supplier Part Number 1=1908-O240-JO32-B-1V3-1-T1-LFCT-ND, Temperature="-40°C ~ +85°C", Tolerance=±50ppm, Voltage Rating="1.8V ~ 3.3V", Assembly Type=SMD, CreatedBy/Date="Louis-Daniel Gaulin / 13-04-2021", Cryo=UNKNOWN, GRAMS Lib Spec=2.8c, HelpURL=https://www.jauch.com/downloadfile/5ef1edcfb8e2f73163c8ce8009ef659d1/jo32-1.8-3.3v.pdf, Magnetic Material=Unknown, Part Number #1="O 24,0-JO32-B-1V3-1-T1-LF", Polarized=Yes, Supplier 1=Digi-Key, VerifiedBy="Philippe Arsenault/2021-04-14"
X3: library part CRY_VMK3-9005-32K7680000, "CRY - 32.768KHZ tol:20ppm  - 2-SMD", Manufacturer #1="Microchip Technology", Package="2-SMD, No Lead", Supplier Part Number 1=150-VMK3-9005-32K7680000CT-ND, Temperature="-40°C ~ 85°C", Tolerance=±20ppm, Assembly Type=SMD, CreatedBy/Date="Louis-Daniel Gaulin / 08-04-2021", Cryo=UNKNOWN, GRAMS Lib Spec=2.8c, HelpURL=https://www.vectron.com/products/crystals/VMK3_VMK4.pdf, Magnetic Material=Unknown, Note="The capacitance is unclear - migthcause problems", Part Number #1=VMK3-9005-32K7680000, Polarized=No, Supplier 1=Digi-Key, VerifiedBy="Philippe Arsenault/2021-04-15"
Y1: library part "OSC_O 38,40-JT21G-E-M-3,3-LF", "OSC -  TCXO Clipped Sine Wave Oscillator 3.3V 38.4MHz - 4-SMD", Current Rating=2mA, Manufacturer #1="Jauch Quartz", Package=SMD-4, Power Max=7mW, Supplier Part Number 1=1908-O38,40-JT21G-E-M-3,3-LFCT-ND, Temperature="-30°C ~ 85°C", Tolerance="±2 ppm", Voltage Rating=3.14V~3.46V, Assembly Type=SMD, CreatedBy/Date="Louis-Daniel Gaulin / 30-04-2021", GRAMS Lib Spec=2.8, HelpURL=https://www.jauch.com/downloadfile/5ea1ac91e1fcc808473bf53821b4b903d/jt21g_200519_online.pdf, Magnetic Material=Unknown, Part Number #1="O 38,40-JT21G-E-M-3,3-LF", Polarized=Yes, Supplier 1=Digi-Key, VerifiedBy="Philippe Arsenault/2021-04-30"
Y3: library part "CRY_FA-20H 12.0000MD30Z-K3", "CRY - 12MHz ±30ppm Crystal 10pF 150 Ohms 4-SMD, No Lead", Manufacturer #1=EPSON, Package="4-SMD, No Lead", Supplier Part Number 1=SER4113CT-ND, Temperature="-40°C ~ 85°C", Tolerance=±30ppm, Voltage Rating="1.8V ~ 3.3V", Assembly Type=SMD, CreatedBy/Date="Hubert Dube - 13/03/2021", Cryo=UNKNOWN, GRAMS Lib Spec=2.8, HelpURL=https://support.epson.biz/td/api/doc_check.php?dl=brief_FA-20H&lang=en, Magnetic Material=Unknown, Part Number #1="FA-20H 12.0000MD30Z-K3", Polarized=Yes, Supplier 1=Digi-Key, VerifiedBy="Philippe Arsenault - 2021/03/16"

## Via types
v1: diameter 0.5, hole 0.2, Top to Bottom, tented both sides, 1950 vias
v2: diameter 0.55, hole 0.2, Top to Bottom, tented both sides, 104 vias
v3: diameter 0.5, hole 0.2, Top to Bottom, 41 vias
v4: diameter 0.5, hole 0.2, Top to Bottom, tented bottom, 5 vias

## Nets (pads, with @x,y where several pads share a name; then routed paths per layer and width w, separated by ;. In a path a pad name is that pad's centre, name@x,y a point inside that pad or via, vN(x,y) a via of type N, cw(c..) or ccw(c..) an arc to the next point about the centre after c; other vN are vias at no path point)
3V3: C1.2 C2.1 C5.2 C7.1 C8.1 C9.1 C10.1 C11.2 C12.1 C13.1 C14.1 C15.1 C16.1 C17.1 C18.1 C19.1 C20.2 C21.2 C22.2 C23.2 C24.2 C25.2 C26.2 C27.1 C30.1 C36.2 C38.1 C41.2 C42.2 C43.2 C44.2 C45.2 C46.2 C49.2 C77.1 C78.1 C85.2 C96.1 C117A.2 C117B.2 C117C.2 C123.2 C128A.2 C128B.2 C128C.2 C129.1 C133A.2 C133B.2 C133C.2 C135.1 C136.1 C142.1 C148.2 C152.1 C154.1 D1.3 D28.K J8.1 L1.1 R4.1 R5.1 R6.1 R10.1 R15.2 R22.1 R23.1 R25.2 R27.1 R28.1 R29.1 R33.1 R35.1 R36.1 R64.1 R77A.2 R77B.2 R77C.2 R96.1 R100A.1 R100B.1 R100C.1 R101A.1 R101B.1 R101C.1 R109.1 R110A.2 R110B.2 R110C.2 R111A.1 R111B.1 R111C.1 R113A.1 R113B.1 R113C.1 R114.2 R115A.2 R115B.2 R115C.2 R116.1 R120.1 R121.2 R123A.2 R123B.2 R123C.2 R124A.1 R124B.1 R124C.1 R125.1 R129.1 R131.1 R134.2 R153.2 R175.2 R177.1 TP4.1 U1.7 U1.8 U1.13 U1.19 U1.32 U1.42 U1.56 U1.70 U1.71 U1.79 U1.90 U1.91 U1.92 U1.105 U1.106 U1.119 U1.129 U1.143 U1.144 U2.5 U3.5 U3.8 U9.4 U9.10 U9.14 U9.20 U9.27 U12.4 U14.4 U16A.1 U16B.1 U16C.1 U23A.5 U23B.5 U23C.5 U24.4 U25A.5 U25B.5 U25C.5 U26.4 U30.4 U31.1 U31.6 U32.1 U32.6 U33.21 U38.4 U39.4 X2.4 X4.4 | length 115.7
  Top w0.305: C46.2@40.586,34.794 40.705,34.913 C46.2@40.716,34.902 ; v1@41.423,34.902 v1(41.434,34.891) ; v1(63.348,25.527) 63.348,25.514 v1@63.408,25.454 ; U1.19@63.472,27.213 v1(63.472,27.734) ; R96.1@73.914,59.55 74.016,59.652 74.074,59.652 74.447,60.025 74.447,60.935 C96.1@73.923,61.46 ; C142.1@90.353,45.524 C142.1@90.353,45.681 90.373,45.701 v1(90.373,46.279) U33.21@90.374,46.986 ; U33.21@90.374,46.986 U33.21@90.374,47.238
  Top w0.381: C128A.2@7.812,76.84 7.812,77.617 U23A.5@7.812,78.141 ; R10.1@17.437,9.373 18.044,8.766 21.951,8.766 25.968,12.783 TP4.1@28.143,12.783 28.143,11.612 26.847,10.316 26.847,8.219 31.478,3.589 46.078,3.589 48.797,6.308 ; v1@24.189,77.541 24.189,76.942 C117A.2@24.192,76.939 24.195,76.936 U16A.1@24.195,75.542 ; C133A.2@28.807,79.606 v1(29.406,79.606) 29.439,79.606 29.494,79.55 30.181,79.55 U25A.5@30.2,79.53 ; R120.1@28.868,37.678 29.416,38.227 29.416,39.045 C135.1@28.87,39.591 ; v1(31.746,34.962) v1@31.761,34.962 ; R125.1@33.094,50.935 33.643,50.387 34.461,50.387 C136.1@35.007,50.933 ; v1(33.951,34.442) 33.983,34.442 34.14,34.286 U9.10@34.778,34.286 U9.10@35.107,34.286 ; U9.20@38.195,31.74 U9.20@38.195,31.377 38.195,30.37 C45.2@38.314,30.251 ; U9.27@39.216,34.794 U9.27@39.579,34.794 C46.2@40.586,34.794 ; C46.2@40.716,34.902 v1@41.423,34.902 ; C128B.2@43.812,76.84 43.812,77.617 U23B.5@43.812,78.141 ; U3.8@59.634,18.272 v1(59.634,18.917) C77.1@59.634,19.563 ; U3.5@59.797,16.609 v1(61.535,16.609) ; v1@60.189,77.541 60.189,76.942 C117B.2@60.192,76.939 60.195,76.936 U16B.1@60.195,75.542 ; C133B.2@64.807,79.606 v1(65.406,79.606) 65.439,79.606 65.494,79.55 66.181,79.55 U25B.5@66.2,79.53 ; C128C.2@79.812,76.84 79.812,77.617 U23C.5@79.812,78.141 ; v1@96.189,77.541 96.189,76.942 C117C.2@96.192,76.939 96.195,76.936 U16C.1@96.195,75.542 ; R124C.1@99.045,76.75 R124C.1@99.051,76.756 ; C133C.2@100.807,79.606 v1(101.406,79.606) 101.439,79.606 101.494,79.55 102.181,79.55 U25C.5@102.2,79.53
  Top w0.508: R77A.2@1.572,72.793 1.565,72.786 1.565,71.703 R115A.2@1.558,71.697 1.558,70.953 2.098,70.414 v1(6.536,70.414) ; v1(18.923,73.733) R100A.1@19.523,73.733 ; v1(25.558,72.365) R111A.1@26.158,72.365 26.438,72.085 26.438,71.935 27.045,71.328 R113A.1@27.045,71.268 ; v1(25.629,75.387) 25.892,75.387 R101A.1@26.158,75.654 ; R124A.1@27.045,76.75 27.051,76.756 v1(27.651,76.756) ; v1(28.256,73.254) 28.256,72.654 R110A.2@28.259,72.651 R123A.2@28.259,71.589 ; R6.1@31.215,34.425 31.215,34.431 v1(31.746,34.962) ; v1@31.761,34.962 R36.1@32.276,34.447 ; v1@32.181,36.54 R35.1@32.795,36.54 ; C43.2@33.337,34.448 v1@33.951,34.448 ; v1@36.191,28.637 R4.1@36.191,29.252 ; v1@37.266,28.629 R177.1@37.266,29.243 ; v1(37.564,73.352) 37.564,72.752 R77B.2@37.57,72.746 ; R115B.2@37.571,71.696 37.571,72.779 R77B.2@37.577,72.786 ; v1(38.292,29.522) 38.303,29.533 C45.2@38.303,30.24 ; v1@46.727,35.043 R116.1@47.341,35.043 ; R175.2@47.838,30.844 v1@47.838,31.459 ; v1(54.923,73.733) R100B.1@55.523,73.733 ; R131.1@56.031,17.885 v1@56.031,18.5 ; v1@56.92,10.967 D1.3@57.534,10.967 ; v1(61.558,72.365) R111B.1@62.158,72.365 62.158,72.309 63.045,71.422 R113B.1@63.045,71.268 ; v1(61.629,75.387) 61.892,75.387 R101B.1@62.158,75.654 ; R124B.1@63.045,76.75 63.051,76.756 v1(63.651,76.756) ; v1(64.256,73.254) 64.256,72.654 R110B.2@64.259,72.651 R123B.2@64.259,71.589 ; v1(73.532,73.35) 73.532,72.751 R77C.2@73.537,72.745 ; R115C.2@73.538,71.695 73.538,72.778 R77C.2@73.545,72.785 ; v1@84.838,43.595 R114.2@85.452,43.595 ; v1(85.855,45.867) R28.1@86.47,45.867 ; v1@85.855,46.94 R27.1@86.47,46.94 ; v1(90.923,73.733) R100C.1@91.523,73.733 ; v1@92.309,45.067 R134.2@92.309,45.681 ; v1@93.257,43.594 R121.2@93.872,43.594 ; v1@93.799,45.53 R153.2@93.799,46.145 ; v1(97.558,72.365) R111C.1@98.158,72.365 98.158,72.276 99.045,71.389 R113C.1@99.045,71.268 ; v1(97.629,75.387) 97.892,75.387 R101C.1@98.158,75.654 ; R124C.1@99.051,76.756 v1(99.651,76.756) ; R109.1@99.56,36.609 99.59,36.579 v1(99.59,35.906) ; v1(100.256,73.254) 100.256,72.654 R110C.2@100.259,72.651 R123C.2@100.259,71.589 ; v1(104.332,60.73) 104.986,60.73 C148.2@104.991,60.725 ; C148.2@105.141,61.11 v1(105.141,61.71) ; C148.2@105.824,61.126 v1(105.824,61.725) ; C148.2@106.041,60.793 106.053,60.781 v1(106.694,60.781)
  other v1: 56.92,10.972 50.097,11.039 51.165,11.039 52.232,11.039 48.606,11.556 49.335,11.556 50.631,11.573 51.699,11.573 50.097,12.107 51.165,12.107 52.232,12.107 48.606,12.285 49.335,12.285 51.699,12.641 52.232,13.174 51.699,13.708 52.232,14.242 51.699,14.776 52.232,15.31 56.036,18.5 65.946,19.007 66.815,19.018 65.924,19.774 72.085,19.785 72.848,19.785 73.611,19.785 72.085,20.548 72.085,21.311 57.894,22.958 60.169,23.349 60.169,24.022 57.878,24.156 70.18,24.409 57.893,25.261 53.084,27.456 53.084,28.016 41.533,28.423 42.403,28.434 48.465,28.43 50.276,28.462 36.186,28.637 37.261,28.629 48.456,29.026 50.267,29.058 41.511,29.19 76.022,31.154 47.843,31.459 31.541,31.622 34.424,31.661 35.04,31.661 75.238,31.938 76.022,31.938 31.541,32.237 46.727,35.048 53.772,35.839 50.218,35.879 32.181,36.545 36.398,37.973 37.014,37.973 76.022,38.154 75.238,38.938 76.022,38.938 98.945,39.45 36.412,39.781 37.027,39.781 28.199,39.859 98.323,40.302 99.006,40.302 99.689,40.302 27.577,40.712 28.26,40.712 28.943,40.712 53.772,40.839 50.218,40.879 98.305,40.99 98.988,40.99 99.671,40.99 27.559,41.4 28.242,41.4 28.924,41.4 99.247,42.15 101.978,42.15 99.247,43.516 101.978,43.516 84.838,43.6 93.257,43.599 99.929,44.199 101.295,44.199 75.859,44.878 76.537,44.878 77.214,44.878 99.247,44.882 100.612,44.882 101.978,44.882 92.304,45.067 93.794,45.53 74.907,45.732 74.907,46.54 62.313,46.719 69.088,46.711 85.855,46.946 54.451,48.971 55.22,48.971 63.906,49.479 61.417,49.53 56.134,49.749 64.414,49.987 69.192,50.242 56.134,50.427 36.128,50.861 36.816,50.879 56.134,51.105 36.128,51.544 36.816,51.562 35.275,51.604 36.128,52.226 36.816,52.245 73.251,61.728 72.629,62.581 73.312,62.581 73.995,62.581 104.736,62.642 105.419,62.642 106.102,62.642 72.611,63.269 73.294,63.269 73.977,63.269 104.718,63.33 105.401,63.33 106.084,63.33 105.462,64.182 69.52,73.548 70.194,73.548 70.868,73.548 33.52,73.559 34.194,73.559 34.868,73.559 34.224,74.233 70.224,74.222 7.798,77.419 43.798,77.419 79.798,77.419 24.206,77.546 60.206,77.546 96.206,77.546
3V3_CH: C108A.2 C108B.2 C108C.2 C109A.2 C109B.2 C109C.2 C110A.1 C110B.1 C110C.1 C112.1 C113A.2 C113B.2 C113C.2 C114A.1 C114B.1 C114C.1 C115A.1 C115B.1 C115C.1 C118A.1 C118B.1 C118C.1 C119A.1 C119B.1 C119C.1 C120A.1 C120B.1 C120C.1 C121A.1 C121B.1 C121C.1 C122A.1 C122B.1 C122C.1 C125A.2 C125B.2 C125C.2 C126A.2 C126B.2 C126C.2 C145A.1 C145B.1 C145C.1 C146A.1 C146B.1 C146C.1 C150A.1 C150B.1 C150C.1 C151A.1 C151B.1 C151C.1 C153.1 C155.1 R93A.1 R93B.1 R93C.1 R95A.1 R95B.1 R95C.1 R99A.1 R99B.1 R99C.1 R112A.1 R112B.1 R112C.1 R117A.1 R117B.1 R117C.1 R119A.1 R119B.1 R119C.1 TP17.1 U10A.5 U10B.5 U10C.5 U11A.5 U11B.5 U11C.5 U12.1 U15A.1 U15B.1 U15C.1 U17A.8 U17B.8 U17C.8 U18A.14 U18B.14 U18C.14 U19A.1 U19B.1 U19C.1 U20A.5 U20B.5 U20C.5 U22A.5 U22B.5 U22C.5 U23A.1 U23B.1 U23C.1 U25A.1 U25B.1 U25C.1 U34A.5 U34B.5 U34C.5 U35A.5 U35B.5 U35C.5 U36A.5 U36B.5 U36C.5 U37A.5 U37B.5 U37C.5 U38.1 U39.1 | length 45.3
  Top w0.381: v1(8.478,80.793) 8.478,80.193 U23A.1@8.484,80.188 ; C110A.1@9.062,82.842 9.093,82.874 9.093,84.137 U11A.5@9.102,84.146 ; C120A.1@27.062,82.842 27.093,82.874 27.093,84.137 U20A.5@27.102,84.146 ; U25A.1@32.182,78.867 v1(32.782,78.867) ; v1(44.478,80.793) 44.478,80.193 U23B.1@44.484,80.188 ; C110B.1@45.062,82.842 45.093,82.874 45.093,84.137 U11B.5@45.102,84.146 ; C120B.1@63.062,82.842 63.093,82.874 63.093,84.137 U20B.5@63.102,84.146 ; U25B.1@68.182,78.867 v1(68.782,78.867) ; v1(80.478,80.793) 80.478,80.193 U23C.1@80.484,80.188 ; C110C.1@81.062,82.842 81.093,82.874 81.093,84.137 U11C.5@81.102,84.146 ; C120C.1@99.062,82.842 99.093,82.874 99.093,84.137 U20C.5@99.102,84.146 ; U25C.1@104.182,78.867 v1(104.782,78.867) ; TP17.1@108.109,61.865 108.184,61.939 108.184,65.808 v1(108.206,65.831)
  Top w0.508: R93A.1@7.089,83.434 R93A.1@7.095,83.44 v1(7.695,83.44) ; C151A.1@9.83,73.749 11.272,73.749 11.293,73.728 U37A.5@11.293,73.615 ; v1(10.482,85.356) R95A.1@11.082,85.356 R95A.1@11.088,85.362 ; U35A.5@12.234,77.358 12.234,77.133 12.318,77.048 12.543,77.048 12.549,77.042 13.013,77.042 v1(13.035,77.019) C146A.1@13.635,77.019 C146A.1@13.641,77.025 ; C150A.1@14.656,73.749 U36A.5@16.098,73.749 ; U34A.5@16.973,77.358 16.973,77.133 17.057,77.048 17.282,77.048 17.288,77.042 17.752,77.042 v1(17.775,77.019) 18.375,77.019 C118A.1@18.38,77.025 ; R112A.1@25.089,83.434 R112A.1@25.095,83.44 v1(25.695,83.44) ; v1(28.482,85.356) R117A.1@29.082,85.356 R117A.1@29.088,85.362 ; R119A.1@34.848,89.467 v1(35.32,89.467) ; R99A.1@35.105,79.521 35.705,79.521 ; R93B.1@43.089,83.434 R93B.1@43.095,83.44 v1(43.695,83.44) ; C151B.1@45.83,73.749 47.272,73.749 47.293,73.728 U37B.5@47.293,73.615 ; v1(46.482,85.356) R95B.1@47.082,85.356 R95B.1@47.088,85.362 ; U35B.5@48.234,77.358 48.234,77.133 48.318,77.048 48.543,77.048 48.549,77.042 49.013,77.042 v1(49.035,77.019) C146B.1@49.635,77.019 C146B.1@49.641,77.025 ; C150B.1@50.656,73.749 U36B.5@52.098,73.749 ; U34B.5@52.973,77.358 52.973,77.133 53.057,77.048 53.282,77.048 53.288,77.042 53.752,77.042 v1(53.775,77.019) 54.375,77.019 C118B.1@54.38,77.025 ; R112B.1@61.089,83.434 R112B.1@61.095,83.44 v1(61.695,83.44) ; v1(64.482,85.356) R117B.1@65.082,85.356 R117B.1@65.088,85.362 ; R119B.1@70.684,89.541 R119B.1@70.748,89.477 ; R119B.1@70.848,89.467 v1(71.32,89.467) ; R99B.1@71.105,79.521 71.705,79.521 ; R93C.1@79.089,83.434 R93C.1@79.095,83.44 v1(79.695,83.44) ; C151C.1@81.83,73.749 v1(82.551,73.749) 83.272,73.749 83.293,73.728 U37C.5@83.293,73.615 ; v1(82.482,85.356) R95C.1@83.082,85.356 R95C.1@83.088,85.362 ; U35C.5@84.234,77.358 84.234,77.133 84.318,77.048 84.543,77.048 84.549,77.042 85.013,77.042 v1(85.035,77.019) C146C.1@85.635,77.019 C146C.1@85.641,77.025 ; C150C.1@86.656,73.749 U36C.5@88.098,73.749 ; U34C.5@88.973,77.358 88.973,77.133 89.057,77.048 89.282,77.048 89.288,77.042 89.752,77.042 v1(89.775,77.019) 90.375,77.019 C118C.1@90.38,77.025 ; R112C.1@97.089,83.434 R112C.1@97.095,83.44 v1(97.695,83.44) ; v1(100.482,85.356) R117C.1@101.082,85.356 R117C.1@101.088,85.362 ; R119C.1@106.848,89.467 v1(107.32,89.467) ; R99C.1@107.105,79.521 v1(107.705,79.521)
  other v1: 107.519,65.831 107.519,67.562 108.206,67.562 107.529,69.311 108.212,69.311 10.551,73.749 15.377,73.749 46.551,73.749 51.377,73.749 87.377,73.749 35.984,79.037 36.826,79.037 71.984,79.026 72.826,79.026 71.984,79.868 72.826,79.868 35.984,79.879 36.826,79.879 17.101,82.245 53.101,82.245 89.101,82.245 17.101,82.999 53.101,82.999 89.101,82.999 9.08,83.328 16.444,83.314 27.081,83.328 45.08,83.328 52.444,83.314 63.081,83.328 81.08,83.328 88.444,83.314 99.081,83.328 17.101,83.753 53.101,83.753 89.101,83.753 31.14,87.503 67.14,87.503 103.14,87.503 6.391,87.993 7.217,87.993 24.391,87.993 25.217,87.993 42.391,87.993 43.217,87.993 60.393,87.991 61.22,87.991 78.393,87.991 79.22,87.991 96.391,87.993 97.217,87.993 30.442,88.305 31.14,88.305 66.442,88.305 67.14,88.305 102.442,88.305 103.14,88.305 6.391,88.819 24.391,88.819 42.391,88.819 60.393,88.817 78.393,88.817 96.391,88.819 6.391,89.646 24.391,89.646 42.391,89.646 60.393,89.643 78.393,89.643 96.391,89.646 16.027,94.564 18.779,94.564 19.426,94.564 34.027,94.564 36.779,94.564 37.426,94.564 52.027,94.564 54.779,94.564 55.426,94.564 70.027,94.564 72.779,94.564 73.426,94.564 88.027,94.564 90.779,94.564 91.426,94.564 106.027,94.564 108.599,94.579 109.206,94.579